# KiCad board 2000ATX.kicad_pcb (continued)
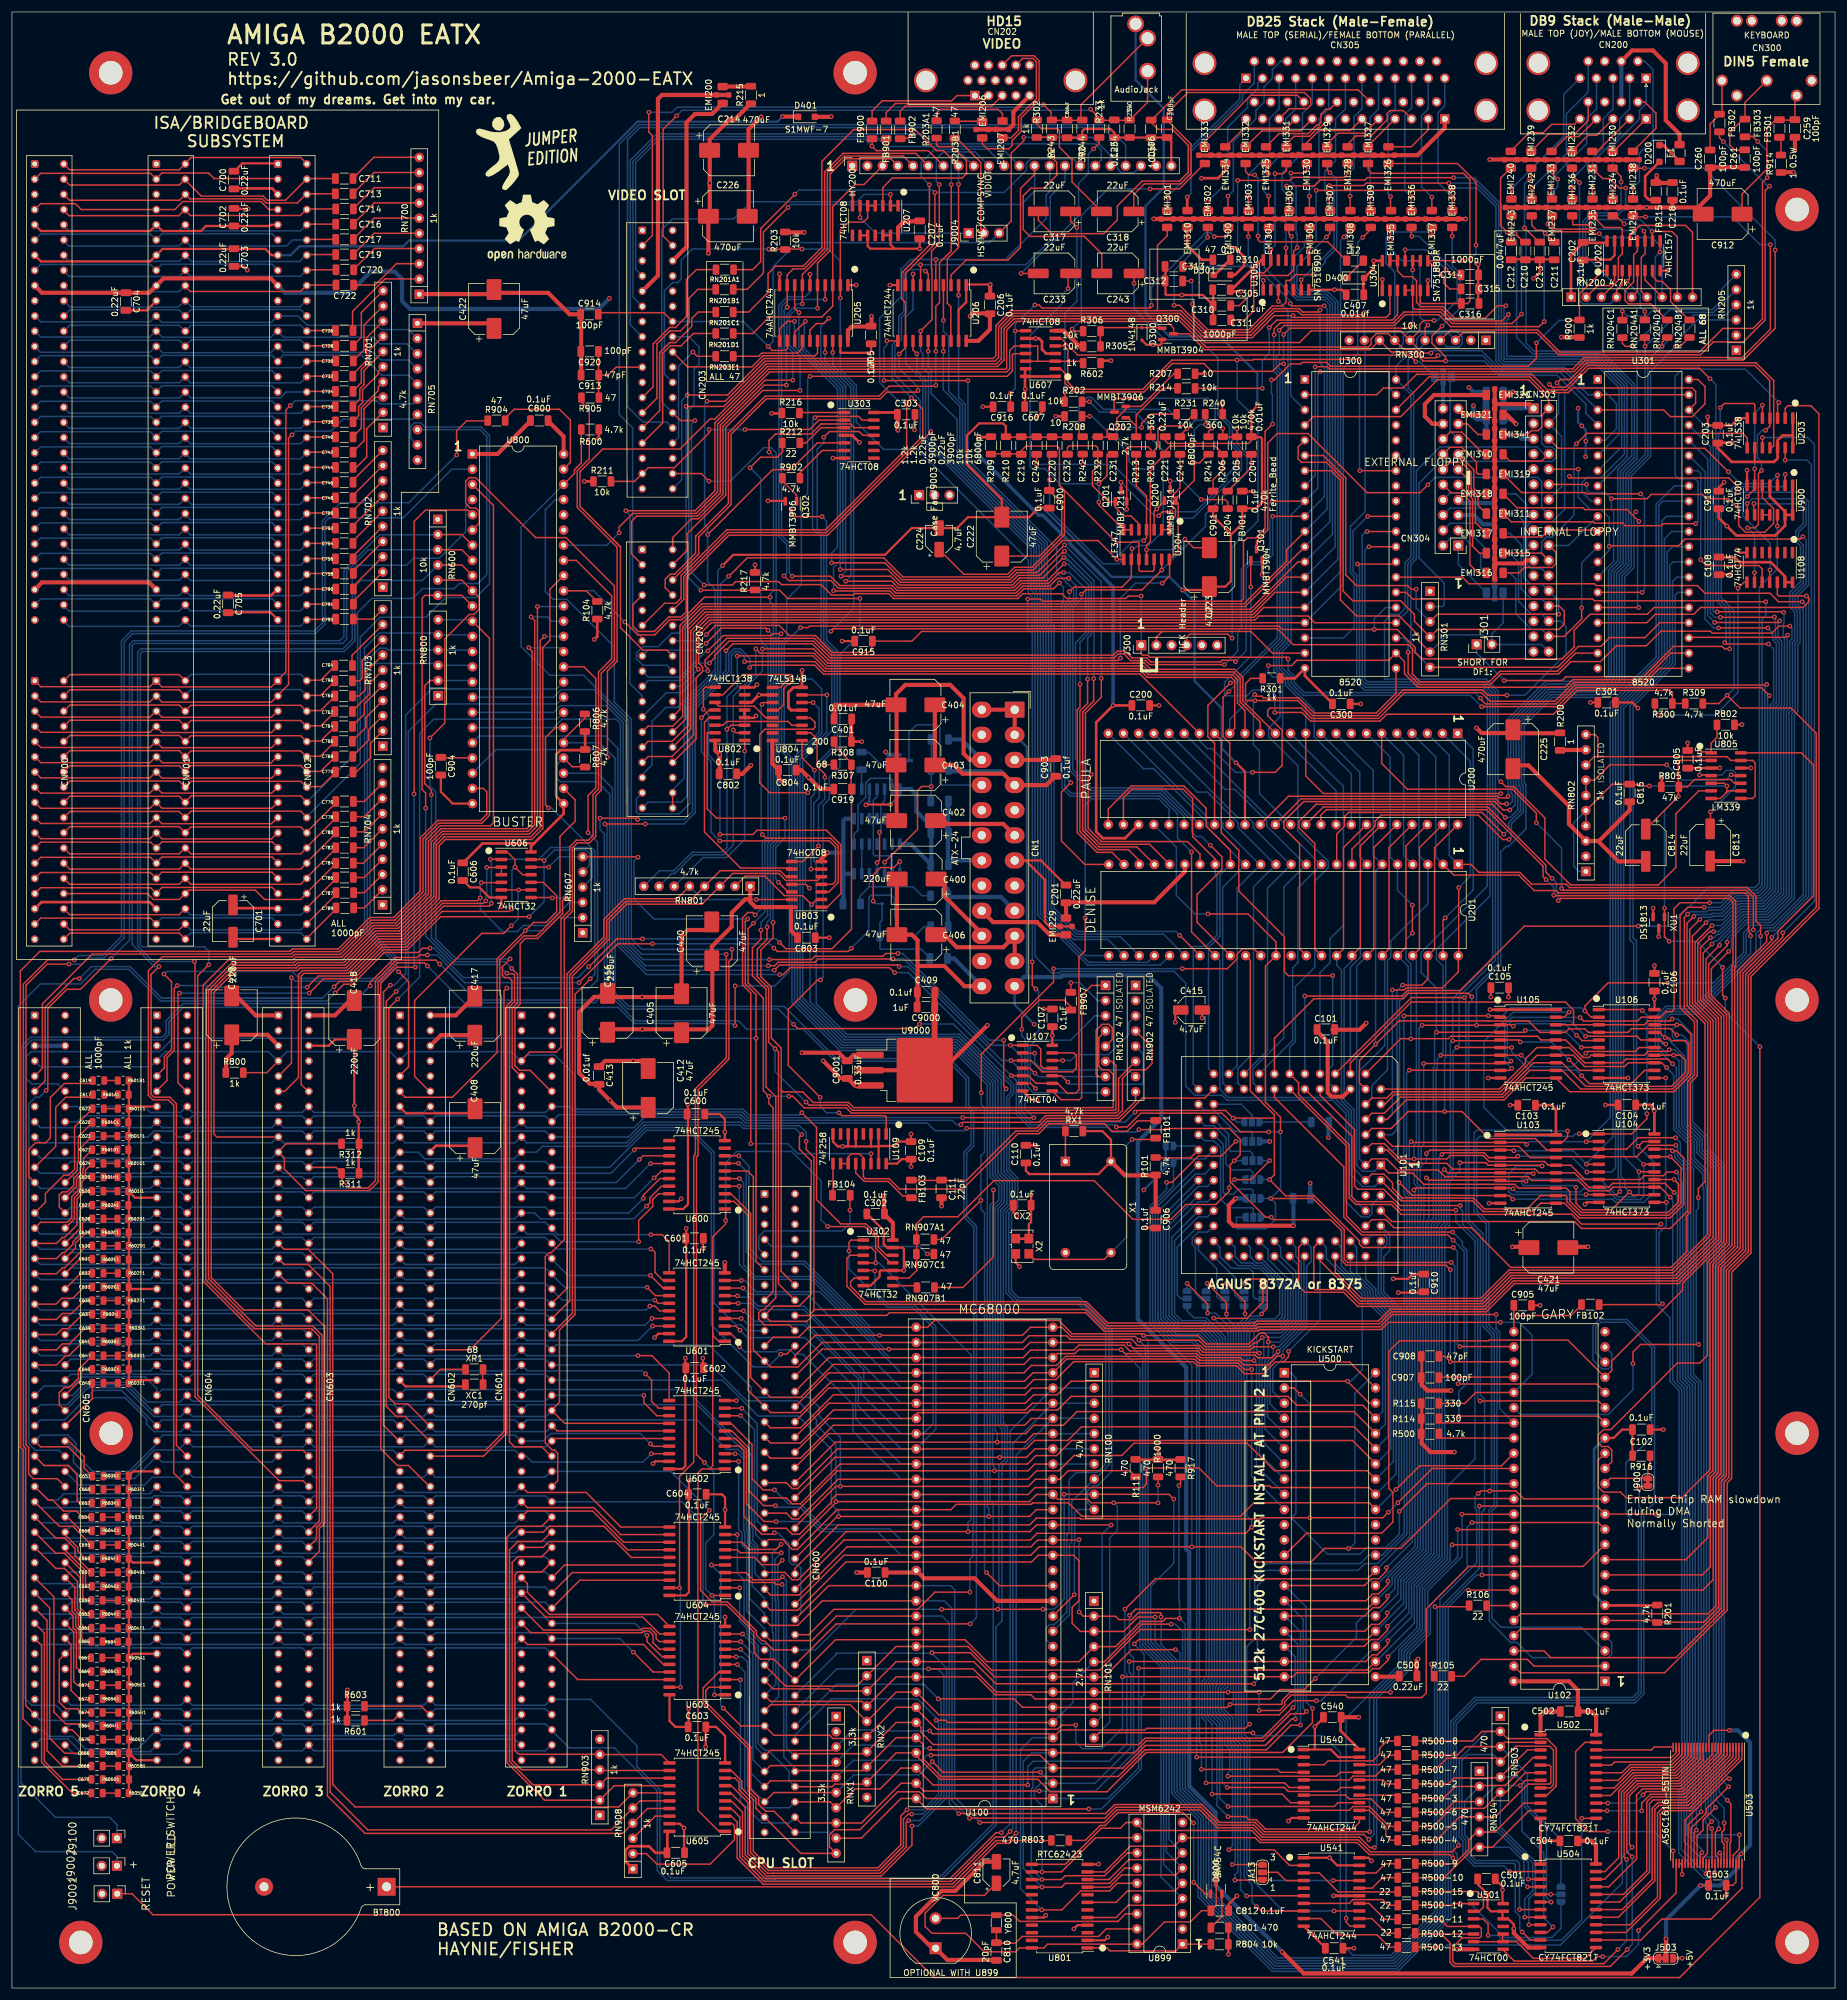
[diagram p0: board, top side]
## Routing (per net, layer and track width the routed paths; a pad name or vN(x,y) marks a point on that pad's centre or on a via; arc(x,y) is an arc through that point) (continued)
Net-(C756-Pad2): length 47
  Top w0.25: 49.25,238.86 54.1,238.86
  Bottom w0.25: 28.93,238.74 27.95,237.76 9.59,237.76 8.66,238.69 ; 49.23,238.72 48.25,237.74 29.84,237.74 28.91,238.67
Net-(C758-Pad2): length 47.1
  Top w0.25: 54.2,236.37 49.3,236.37
  Bottom w0.25: 49.23,236.18 48.25,235.2 29.84,235.2 28.91,236.13 ; CN700.A28 9.64,235.24 27.95,235.24 28.93,236.22
Net-(C760-Pad2): length 48
  Top w0.25: 28.93,213.41 27.95,214.39 9.69,214.39 CN700.C3 ; 49.25,213.46 51.61,213.46 54.05,215.9 ; 49.25,213.36 48.27,214.34 29.91,214.34 28.93,213.36
Net-(C762-Pad2): length 48
  Top w0.25: 28.93,210.87 27.95,211.85 9.69,211.85 CN700.C4 ; 49.25,210.92 51.66,210.92 54.05,213.31 ; 28.93,210.82 29.91,211.8 48.27,211.8 49.25,210.82
Net-(C764-Pad2): length 48
  Top w0.25: 28.93,208.33 27.95,209.31 9.69,209.31 CN700.C5 ; 49.25,208.38 51.61,208.38 54.05,210.82 ; 28.93,208.28 29.91,209.26 48.27,209.26 49.25,208.28
Net-(C766-Pad2): length 48.1
  Top w0.25: 28.93,205.79 27.95,206.77 9.69,206.77 CN700.C6 ; 49.25,205.84 51.56,205.84 54.05,208.33 ; 49.25,205.74 48.27,206.72 29.91,206.72 28.93,205.74
Net-(C768-Pad2): length 48.1
  Top w0.25: CN700.C7 9.69,204.23 27.95,204.23 28.93,203.25 29.96,204.28 48.27,204.28 49.25,203.3 51.61,203.3 54.1,205.79
Net-(C770-Pad2): length 48.1
  Top w0.25: 28.93,200.71 27.95,201.69 9.69,201.69 CN700.C8 ; 49.25,200.76 51.71,200.76 54.15,203.2 ; 28.93,200.66 29.91,201.64 48.27,201.64 49.25,200.66
Net-(C776-Pad2): length 49.2
  Top w0.25: 49.25,193.14 54.2,198.09 ; 28.93,193.09 27.95,194.07 9.69,194.07 CN700.C11 ; 49.25,193.04 48.27,194.02 29.91,194.02 28.93,193.04
Net-(C778-Pad2): length 49.2
  Top w0.25: 49.25,190.6 54.2,195.55 ; CN700.C12 9.64,189.52 27.95,189.52 28.93,190.5 29.91,189.52 48.27,189.52 49.25,190.5
Net-(C780-Pad2): length 49.2
  Top w0.25: 49.25,188.06 54.2,193.01 ; 49.25,187.96 48.27,186.98 29.91,186.98 28.93,187.96 27.95,186.98 9.64,186.98 CN700.C13
Net-(C782-Pad2): length 49.2
  Top w0.25: 49.25,185.52 54.2,190.47 ; 49.25,185.42 48.27,184.44 29.91,184.44 28.93,185.42 27.95,184.44 9.64,184.44 CN700.C14
Net-(C784-Pad2): length 49.7
  Top w0.25: 49.25,182.98 54.2,187.93 ; 49.25,182.88 48.27,181.9 42.23,181.9 40.67,183.46 29.51,183.46 27.95,181.9 23.63,181.9 22.65,182.88 CN700.C15
Net-(C786-Pad2): length 49.2
  Top w0.25: 49.25,180.44 54.2,185.39 ; 28.93,180.34 27.95,179.36 9.64,179.36 CN700.C16
  Bottom w0.25: 28.93,180.24 29.86,179.31 48.27,179.31 49.25,180.29
Net-(C787-Pad2): length 49.3
  Top w0.25: 28.93,177.8 27.95,176.82 9.64,176.82 CN700.C17 ; 49.25,177.8 54.25,182.8
  Bottom w0.25: 28.93,177.8 29.91,176.82 48.27,176.82 49.25,177.8
Net-(C789-Pad2): length 49.3
  Top w0.25: 49.25,175.36 54.25,180.36 ; 28.93,175.31 27.95,176.29 9.69,176.29 CN700.C18
  Bottom w0.25: 49.25,175.36 48.27,176.34 29.96,176.34 28.93,175.31
Net-(C790-Pad2): length 47.1
  Top w0.25: 49.25,233.78 54.2,233.78
  Bottom w0.25: 28.89,233.6 29.82,232.67 48.23,232.67 49.21,233.65 ; 8.61,233.62 9.53,232.69 27.89,232.69 28.87,233.67
Net-(C791-Pad2): length 47.1
  Top w0.25: 49.25,231.24 54.2,231.24
  Bottom w0.25: 49.21,231.11 48.23,230.13 29.82,230.13 28.89,231.06 27.91,230.08 9.55,230.08 8.62,231.01
Net-(C793-Pad2): length 47.1
  Top w0.25: 49.25,228.7 54.15,228.7
  Bottom w0.25: 49.21,228.57 48.23,227.59 29.82,227.59 28.89,228.52 27.91,227.54 9.55,227.54 8.62,228.47
Net-(C794-Pad2): length 48.1
  Top w0.25: 28.93,218.49 27.95,219.47 9.69,219.47 CN700.C1 ; 49.25,218.54 51.61,218.54 54.05,220.98
  Bottom w0.25: 49.25,218.54 48.27,219.52 29.96,219.52 28.93,218.49
Net-(C796-Pad2): length 48.1
  Top w0.25: 28.93,215.95 27.95,216.93 9.69,216.93 CN700.C2 ; 49.25,216 51.61,216 54.05,218.44
  Bottom w0.25: 49.25,216 48.27,216.98 29.96,216.98 28.93,215.95
Net-(C9103-Pad1): length 16.6
  Bottom w0.25: 143.35,184.02 150.64,184.02 152.14,182.52 153.63,182.52 ; 143.35,184.02 141.8,182.47 141.8,181.15 ; 143.35,184.02 U9101.5
Net-(C9105-Pad1): length 29
  Top w0.25: v1(153.69,200.78) 152.08,200.78 151.4,200.1 151.4,193.62 v1(145.9,188.13)
  Bottom w0.25: 153.69,203.57 v1(153.69,200.78) 153.69,198.35 ; v1(145.9,188.13) 145.9,186.21 ; 153.7,203.59 153.7,208.64
Net-(CN200-Pad1): length 22.7
  Top w0.25: v1(267.61,300.79) 267.61,298.73
  Bottom w0.25: v1(267.61,300.79) 267.61,307.82 272.1,312.31 272.1,313.76 273.23,314.89 CN200.1
Net-(CN200-Pad2): length 22.9
  Top w0.25: v1(264.26,300.84) 264.26,298.78
  Bottom w0.25: v1(264.26,300.84) 264.26,305.11 268.81,309.66 268.81,312.35 270.46,313.99 CN200.2
Net-(CN200-Pad3): length 23.1
  Top w0.25: v1(260.86,300.89) 260.86,298.83
  Bottom w0.25: v1(260.86,300.89) 260.86,302.34 266.04,307.52 266.04,312.35 267.69,313.99 CN200.3
Net-(CN200-Pad4): length 23.3
  Top w0.25: v1(257.35,300.99) 257.35,298.99
  Bottom w0.25: v1(257.35,300.99) 257.35,302.27 263.27,308.19 263.27,312.35 264.92,313.99 CN200.4
Net-(CN200-Pad5): length 24.9
  Top w0.25: v1(250.75,300.69) 250.75,298.99
  Bottom w0.25: v1(250.75,300.69) 259.44,309.37 259.44,316.42 CN200.5
Net-(CN200-Pad9): length 26.9
  Top w0.25: v1(254.18,300.81) 254.18,298.96
  Bottom w0.25: CN200.9 263.53,316.83 259.89,313.19 259.89,306.52 v1(254.18,300.81)
Net-(CN200-Pad10): length 7.7
  Top w0.25: 267.81,306.91 CN200.10
Net-(CN200-Pad11): length 8.5
  Top w0.25: CN200.11 265.04,306.91 EMI231.2
Net-(CN200-Pad12): length 9.1
  Top w0.25: CN200.12 264.94,309.59 263.48,309.59 EMI232.2
Net-(CN200-Pad13): length 9.8
  Top w0.25: 257.4,306.86 259.92,309.37 261.96,309.37 CN200.13
Net-(CN200-Pad14): length 13.8
  Top w0.25: CN200.14 261.24,311.42 257.41,311.42 256,310.01 253.65,310.01 250.6,306.96
Net-(CN200-Pad15): length 11.7
  Top w0.25: CN200.15 272.97,315.17 274.86,313.28 274.86,310.76 271.02,306.92
Net-(CN200-Pad18): length 14.8
  Top w0.25: EMI239.1 256.91,309.82 261.31,309.82 263.53,312.05 CN200.18
Net-(CN202-Pad1): length 19.9
  Top w0.25: FB900.1 143.8,313.66 145.49,315.35 157.11,315.35 157.99,316.23 CN202.1
Net-(CN202-Pad2): length 19.7
  Top w0.25: FB901.1 146.15,313.36 147.69,314.9 161.95,314.9 CN202.2
Net-(CN202-Pad3): length 19.8
  Top w0.25: CN202.3 163.79,314.45 149.34,314.45 148.5,313.62 FB902.1
Net-(CN202-Pad13): length 29.7
  Top w0.25: EMI206.2 162.2,308.2 163.07,307.34 166.67,307.34 167.22,307.89 167.22,308.71 168.73,310.22 168.73,312.51 171.72,315.5 171.72,322.04 170.87,322.89 167.14,322.89 CN202.13
Net-(CN202-Pad14): length 20
  Top w0.25: CN202.14 168.98,322.44 170.69,322.44 171.27,321.85 171.27,315.69 168.28,312.69 168.28,310.41 167.06,309.19 EMI207.2
Net-(CN203-Pad23): length 29.1
  Top w0.25: 117.78,287.15 114.43,287.15 112.75,285.47 112.75,279.3 110.94,277.49 109.94,277.49 107.19,274.74 107.19,267.57 CN203.23
Net-(CN203-Pad25): length 28.5
  Top w0.25: 117.73,283.85 114.68,283.85 113.21,282.37 113.21,278.36 111.75,276.91 109.99,276.91 107.84,274.75 107.84,265.68 CN203.25
Net-(CN203-Pad27): length 26.8
  Top w0.25: CN203.27 108.29,263.59 108.29,273.29 109.94,274.95 110.94,274.95 113.66,277.67 113.66,278.99 114.73,280.06 117.73,280.06
Net-(CN203-Pad29): length 26.7
  Top w0.25: CN203.29 108.79,261.55 108.79,273.16 110.04,274.41 111.86,274.41 113.92,276.48 117.73,276.48
Net-(CN203-Pad33): length 43.6
  Top w0.25: v1(122.56,260.43) 133.38,260.45 134.93,262 U303.2 ; 100.08,251.76 104.08,251.76 CN203.33 106.36,254.05 110.75,254.05 116.56,259.86 v1(116.56,260.43)
  Bottom w0.25: v1(122.56,260.43) v1(116.56,260.43)
Net-(CN304-Pin_1): length 9.8
  Bottom w0.25: CN304.1 241.81,237.87 EMI322.2
Net-(CN304-Pin_2): length 11.4
  Bottom w0.25: EMI313.2 245.55,237.42 245.55,239.59 242.92,242.22 240.44,242.22 CN304.2
Net-(CN304-Pin_3): length 6
  Bottom w0.25: 246.5,240.41 243.33,243.59 CN304.3
Net-(CN304-Pin_4): length 8.4
  Bottom w0.25: CN304.4 240.44,244.76 244.82,244.76 EMI324.2
Net-(CN304-Pin_6): length 8.1
  Bottom w0.25: EMI339.2 245.58,247.3 240.44,247.3 CN304.6
Net-(CN304-Pin_8): length 7.6
  Bottom w0.25: 246.34,249.84 240.44,249.84 CN304.8
Net-(CN304-Pin_9): length 14
  Top w0.25: EMI315.2 245.36,239.78 244.21,240.93 244.21,248.8 CN304.9
Net-(CN304-Pin_10): length 19.6
  Top w0.25: EMI316.2 245.11,236.47 243.76,237.82 243.76,248.45 242.37,249.84 240.63,249.84 CN304.10
Net-(CN304-Pin_11): length 12.6
  Top w0.25: CN304.11 243.51,252.05 243.51,250.27 244.66,249.11 244.66,244.92 EMI317.2
Net-(CN304-Pin_12): length 13.8
  Top w0.25: CN304.12 240.44,254.92 242.37,254.92 243.96,253.34 243.96,250.45 245.11,249.3 245.11,247.77 EMI311.2
Net-(CN304-Pin_13): length 9.2
  Top w0.25: CN304.13 244.41,253.69 244.41,250.64 245.36,249.68 EMI318.2
Net-(CN304-Pin_14): length 10.6
  Top w0.25: CN304.14 240.44,257.46 242.37,257.46 244.86,254.98 244.86,253.24 245.11,252.98 EMI319.2
Net-(CN304-Pin_15): length 10.8
  Bottom w0.25: CN304.15 240.44,260.19 240.44,269.02
Net-(CN304-Pin_16): length 8.8
  Top w0.25: 246.09,256.29 242.37,260 240.44,260 CN304.16
Net-(CN304-Pin_17): length 5.4
  Top w0.25: EMI341.2 245.11,259.59 243.33,261.37 CN304.17
Net-(CN304-Pin_18): length 16.5
  Top w0.7: CN304.18 237.49,261.37 236.22,262.64 236.22,264.67 237.74,266.19 EMI320.2
Net-(CN304-Pin_19): length 5.1
  Top w0.7: CN304.19 242.82,262.89 EMI321.2
Net-(CN305-Pad1): length 27.5
  Top w0.25: v1(193.19,299.36) 193.19,297.08
  Bottom w0.25: v1(193.19,299.36) 196.67,302.84 196.67,307.06 205.28,315.67 205.28,318.09 CN305.1
Net-(CN305-Pad2): length 25.9
  Top w0.25: 199.9,297.06 v1(199.9,298.5)
  Bottom w0.25: CN305.2 208.28,318.33 208.28,317.41 206.57,315.7 206.57,314.25 203.26,310.94 203.26,301.86 v1(199.9,298.5)
Net-(CN305-Pad3): length 24.2
  Top w0.25: v1(206.71,299.47) 206.71,297.06
  Bottom w0.25: CN305.3 211.85,313.99 210.23,312.37 210.23,306.51 206.71,302.98 v1(206.71,299.47)
Net-(CN305-Pad4): length 24.6
  Top w0.25: 210.11,297.06 210.11,299.42 v1(210.08,299.44)
  Bottom w0.25: CN305.4 214.62,313.99 212.98,312.35 212.98,307.17 209.33,303.52 209.33,300.19 v1(210.08,299.44)
Net-(CN305-Pad5): length 24.6
  Top w0.25: v1(213.51,299.42) 213.51,297.06
  Bottom w0.25: v1(213.51,299.42) 212.37,300.56 212.37,303.29 215.75,306.67 215.75,313.24 217.39,314.88 CN305.5
Net-(CN305-Pad6): length 23.4
  Top w0.25: 216.92,297.06 v1(216.92,299.42)
  Bottom w0.25: CN305.6 220.16,314 218.52,312.36 218.52,301.94 216.92,300.34 v1(216.92,299.42)
Net-(CN305-Pad7): length 23.8
  Top w0.25: v1(220.24,299.54) 220.24,297.08
  Bottom w0.25: v1(220.24,299.54) 219.49,300.29 219.49,303.57 221.28,305.36 221.28,312.34 222.93,313.99 CN305.7
Net-(CN305-Pad8): length 22.9
  Top w0.25: 223.72,297.01 v1(223.72,299.42)
  Bottom w0.25: v1(223.72,299.42) 223.72,303.49 224.37,304.14 224.37,312.66 225.7,313.99 CN305.8
Net-(CN305-Pad9): length 22.7
  Top w0.25: v1(227.08,299.42) 227.08,297.01
  Bottom w0.25: v1(227.08,299.42) 227.08,312.6 228.47,313.99 CN305.9
Net-(CN305-Pad10): length 22.8
  Top w0.25: 230.48,296.95 v1(230.48,299.36)
  Bottom w0.25: v1(230.48,299.36) 230.08,299.76 230.08,312.83 231.24,313.99 CN305.10
Net-(CN305-Pad11): length 23.1
  Top w0.25: v1(233.93,299.36) 233.93,296.95
  Bottom w0.25: v1(233.93,299.36) 232.87,300.42 232.87,313.04 234.01,314.18 CN305.11
Net-(CN305-Pad12): length 23.3
  Top w0.25: EMI337.2 v1(237.39,299.26)
  Bottom w0.25: v1(237.39,299.26) 235.66,300.99 235.66,312.87 236.78,313.99 CN305.12
Net-(CN305-Pad13): length 23.6
  Top w0.25: v1(240.79,299.31) EMI338.2
  Bottom w0.25: CN305.13 239.55,314.51 238.43,313.39 238.43,301.68 v1(240.79,299.31)
Net-(CN305-Pad27): length 9.7
  Top w0.25: CN305.27 236.78,310.51 233.95,307.67 EMI326.2
Net-(CN305-Pad28): length 14.1
  Top w0.25: 223.36,308.14 224.71,309.49 227.23,309.49 229.92,312.18 229.92,313.23 230.41,313.72 232.61,313.72 CN305.28
Net-(CN305-Pad29): length 6.3
  Top w0.25: CN305.29 226.76,307.85
Net-(CN305-Pad30): length 10.3
  Top w0.25: CN305.30 226.09,309.94 221.7,309.94 219.91,308.16
Net-(CN305-Pad31): length 11.6
  Top w0.25: CN305.31 223.77,310.39 218.52,310.39 216.46,308.33 216.46,307.62
Net-(CN305-Pad33): length 8.9
  Top w0.25: CN305.33 218.67,310.84 218.33,310.84 216.91,309.42 214.37,309.42 213.06,308.11
Net-(CN305-Pad34): length 13.1
  Top w0.25: CN305.34 215.39,310.32 208.95,310.32 206.25,307.62
Net-(CN305-Pad35): length 13.7
  Top w0.25: CN305.35 213.07,310.77 205.99,310.77 202.84,307.62
Net-(CN305-Pad45): length 15.8
  Top w0.25: 209.65,307.67 211.85,309.87 216.73,309.87 218.15,311.29 218.41,311.29 218.84,311.73 218.84,313.1 219.69,313.94 220.33,313.94 CN305.45
Net-(CN305-Pad47): length 21.2
  Top w0.25: 199.44,307.62 199.44,308.57 207.16,316.29 214.88,316.29 CN305.47
Net-(CN305A-P14): length 29.6
  Top w0.457: v1(196.49,299.26) 196.49,297.06
  Bottom w0.25: CN305.14 207.7,318.33 205.73,316.36 205.73,315.49 197.12,306.88 197.12,299.89 v1(196.49,299.26)
Net-(CN305A-P16): length 29.7
  Top w0.25: v1(203.3,299.42) 203.3,297.06
  Bottom w0.25: CN305.16 212.11,321.97 210.73,320.59 210.73,319.11 209.34,317.72 209.34,315.14 207.98,313.78 207.98,312.33 204.2,308.55 204.2,300.32 v1(203.3,299.42)
Net-(CN601-Pad97): length 85.5
  Bottom w0.25: 85.06,40.61 84.08,41.59 65.72,41.59 64.74,40.61 63.76,41.59 45.4,41.59 44.42,40.61 43.44,41.59 25.08,41.59 24.1,40.61 ; CN604.97 23.12,39.5 11.45,39.5 9.36,41.59 4.79,41.59 CN605.97
Net-(CN601-Pad98): length 85.1
  Bottom w0.25: 29.18,40.61 30.16,39.63 48.52,39.63 49.5,40.61 50.48,39.63 68.84,39.63 69.82,40.61 70.8,39.63 89.16,39.63 90.14,40.61 ; CN604.98 27.75,39.05 10.45,39.05 CN605.98
Net-(CN700-PadA1): length 42.2
  Top w0.25: 49.25,304.9 48.27,305.88 29.96,305.88 28.93,304.85 ; CN700.A1 9.64,303.82 27.95,303.82 28.93,304.8
Net-(CN700-PadA10): length 42.4
  Bottom w0.25: CN700.A10 9.72,280.88 27.82,280.88 28.93,281.99 29.99,280.93 48.14,280.93 49.25,282.04
Net-(CN700-PadA11): length 42.3
  Bottom w0.25: 49.25,279.5 48.27,280.48 29.96,280.48 28.93,279.45 27.95,280.43 9.69,280.43 CN700.A11
Net-(CN700-PadB2): length 42.2
  Top w0.25: 44.4,302.36 33.81,302.36 32.88,303.29 25.06,303.29 24.08,302.31 23.15,303.24 4.79,303.24 CN700.B2
Net-(CN700-PadB4): length 42.6
  Top w0.25: CN702.B4 42.96,297.18 41.62,298.52 28.56,298.52 27.22,297.18 CN701.B4 11.6,297.18 10.62,298.16 4.79,298.16 CN700.B4
Net-(CN700-PadB6): length 42.2
  Bottom w0.25: CN700.B6 4.79,293.08 23.15,293.08 24.08,292.15 25.06,293.13 43.47,293.13 44.4,292.2
Net-(CN700-PadB8): length 42.2
  Bottom w0.25: 44.4,287.12 43.47,288.05 25.06,288.05 24.08,287.07 23.15,288 4.79,288 CN700.B8
Net-(CN700-PadB15): length 42.2
  Bottom w0.25: CN700.B15 4.79,270.22 23.15,270.22 24.08,269.29 25.06,270.27 43.47,270.27 44.4,269.34
Net-(CN700-PadB16): length 42.2
  Bottom w0.25: CN700.B16 4.79,267.68 23.15,267.68 24.08,266.75 25.06,267.73 43.47,267.73 44.4,266.8
Net-(CN700-PadB17): length 42.2
  Bottom w0.25: CN700.B17 4.79,265.14 23.15,265.14 24.08,264.21 25.06,265.19 43.47,265.19 44.4,264.26
Net-(CN700-PadB18): length 42.2
  Bottom w0.25: CN700.B18 4.79,262.6 23.15,262.6 24.08,261.67 25.06,262.65 43.47,262.65 44.4,261.72
Net-(CN700-PadB19): length 42.2
  Bottom w0.25: CN700.B19 4.79,260.06 23.15,260.06 24.08,259.13 25.06,260.11 43.47,260.11 44.4,259.18
Net-(CN700-PadB20): length 42.2
  Bottom w0.25: CN700.B20 4.79,257.52 23.15,257.52 24.08,256.59 25.06,257.57 43.47,257.57 44.4,256.64
Net-(CN700-PadB21): length 42.2
  Bottom w0.25: CN700.B21 4.79,254.98 23.15,254.98 24.08,254.05 25.06,255.03 43.47,255.03 44.4,254.1
Net-(CN700-PadB22): length 42.2
  Bottom w0.25: CN700.B22 4.79,252.44 23.15,252.44 24.08,251.51 25.06,252.49 43.47,252.49 44.4,251.56
Net-(CN700-PadB23): length 42.2
  Bottom w0.25: 44.4,249.02 43.47,249.95 25.06,249.95 24.08,248.97 23.15,249.9 4.79,249.9 CN700.B23
Net-(CN700-PadB24): length 42.2
  Bottom w0.25: 44.4,246.48 43.47,247.41 25.06,247.41 24.08,246.43 23.15,247.36 4.79,247.36 CN700.B24
Net-(CN700-PadB25): length 42.2
  Bottom w0.25: 44.4,243.94 43.47,244.87 25.06,244.87 24.08,243.89 23.15,244.82 4.79,244.82 CN700.B25
Net-(CN700-PadB26): length 42.2
  Bottom w0.25: 44.4,241.4 43.47,242.33 25.06,242.33 24.08,241.35 23.15,242.28 4.79,242.28 CN700.B26
Net-(CN700-PadB27): length 42.2
  Bottom w0.25: 44.4,238.86 43.47,239.79 25.06,239.79 24.08,238.81 23.15,239.74 4.79,239.74 CN700.B27
Net-(CN700-PadB28): length 42.2
  Bottom w0.25: 44.4,236.32 43.47,237.25 25.06,237.25 24.08,236.27 23.15,237.2 4.79,237.2 CN700.B28
Net-(CN700-PadB30): length 42.2
  Bottom w0.25: CN700.B30 4.79,232.12 23.15,232.12 24.08,231.19 25.06,232.17 43.47,232.17 44.4,231.24
Net-(CN700-PadD3): length 42.3
  Top w0.25: 24.1,213.32 25.08,212.34 43.39,212.34 44.42,213.37 ; CN700.D3 4.82,212.38 23.07,212.38 24.1,213.41
Net-(CN700-PadD4): length 42.3
  Top w0.25: 24.1,210.78 25.08,209.8 43.39,209.8 44.42,210.83 ; CN700.D4 4.82,209.84 23.07,209.84 24.1,210.87
Net-(CN700-PadD5): length 42.3
  Top w0.25: 24.1,208.24 25.08,207.26 43.39,207.26 44.42,208.29 ; CN700.D5 4.82,207.3 23.07,207.3 24.1,208.33
Net-(CN700-PadD6): length 42.3
  Top w0.25: 44.42,205.84 43.31,204.73 25.16,204.73 24.1,205.79 23.07,204.76 4.82,204.76 CN700.D6
Net-(CN700-PadD7): length 42.3
  Top w0.25: 24.1,203.16 25.08,202.18 43.39,202.18 44.42,203.21 ; CN700.D7 4.82,202.22 23.07,202.22 24.1,203.25
Net-(CN700-PadD8): length 42.2
  Top w0.25: CN700.D8 4.79,199.68 23.05,199.68 24.08,200.71 ; 24.08,200.66 25.06,199.68 43.42,199.68 44.4,200.66
Net-(CN700-PadD9): length 42.2
  Top w0.25: CN700.D9 4.82,197.14 23.07,197.14 24.1,198.17 ; 44.42,198.12 43.44,197.14 25.08,197.14 24.1,198.12
Net-(CN700-PadD10): length 42.3
  Top w0.25: 24.1,195.54 25.08,194.56 43.39,194.56 44.42,195.6 ; CN700.D10 4.82,194.6 23.07,194.6 24.1,195.63
Net-(CN700-PadD11): length 42.3
  Top w0.25: 24.1,193 25.08,192.02 43.39,192.02 44.42,193.06 ; CN700.D11 4.82,192.06 23.07,192.06 24.1,193.09
Net-(CN700-PadD12): length 42.2
  Top w0.25: CN700.D12 4.82,191.48 23.18,191.48 24.1,190.55 25.08,191.53 43.5,191.53 44.42,190.6
Net-(CN700-PadD13): length 42.2
  Top w0.25: CN700.D13 4.82,188.94 23.18,188.94 24.1,188.01 25.08,188.99 43.5,188.99 44.42,188.06
Net-(CN700-PadD14): length 42.2
  Top w0.25: CN700.D14 4.79,186.4 23.15,186.4 24.08,185.47 25.06,186.45 43.47,186.45 44.4,185.52
Net-(CN700-PadD15): length 42.2
  Top w0.25: CN700.D15 4.82,183.86 23.18,183.86 24.1,182.93 25.08,183.91 43.5,183.91 44.42,182.98
Net-(CN700-PadD17): length 42.2
  Top w0.25: CN700.D17 4.79,178.78 23.15,178.78 24.08,177.85
  Bottom w0.25: 44.4,177.9 43.47,178.83 25.06,178.83 24.08,177.85
Net-(D200-A): length 8.7
  Top w0.457: 274.83,298.83 273.69,298.83 273.05,299.47 273.05,302.77 275.43,305.15
Net-(D200-K): length 4.5
  Top w0.457: F1.1 276.09,307.95 D200.1
Net-(D300-K): length 13
  Top w0.25: 181.94,274.32 181.94,276.86 182.54,277.45 D300.1 192.14,277.45
Net-(D301-K): length 3.6
  Top w0.457: 201.09,286.26 203.63,288.8
Net-(D400-K): length 3.8
  Top w0.25: 223.27,285.98 F2.1
Net-(D401-A): length 76.9
  Top w0.25: 136.91,312.67 v1(136.96,312.72)
  Top w0.457: 202.84,304.82 202.84,303.63 201.63,302.41 v1(198.88,302.41)
  Top w0.7: D401.2 136.91,312.67
  In2.Cu w0.7: v1(198.88,302.41) 198.88,306.3 192.46,312.72 v1(136.96,312.72)
Net-(D800-Pad1): length 37
  Top w0.25: D800.1 199.51,15.74 v1(197.58,17.67) ; v1(197.56,27.58) 197.55,27.58 195.83,29.3 195.83,29.31 184.91,29.31 182.76,27.16 181.94,27.16 179.45,24.67 R803.2
  Bottom w0.25: v1(197.56,27.58) v1(197.58,17.67)
Net-(D800-Pad2): length 6.4
  Top w0.25: D800.2 202.28,11.93 R801.2
Net-(D9100-A): length 323.6
  Top w0.25: v1(127.39,173.77) 127.41,173.77 127.96,173.22 139.81,173.22 v1(140.34,173.74) ; v1(59.89,167.47) 59.89,168.05 64.05,172.21 67.74,172.21 68.15,172.62 v1(69.46,172.62) ; v1(94.81,167.99) 94.81,168.02 101.29,174.49 v1(107.11,174.49)
  Bottom w0.25: v1(69.46,172.62) 71.07,172.62 75.69,167.99 v1(94.81,167.99) ; v1(59.89,167.47) 56.91,164.49 28.6,164.49 25.78,161.67 25.78,159.51 25.15,158.88 3.1,158.88 1.51,157.3 1.51,34.29 7.28,28.53 16.34,28.53 17.55,27.32 J9100.1 ; v1(140.34,173.74) 140.34,173.77 143.26,176.69 143.26,182.22 143.66,182.62 146.99,182.62 147.58,182.02 D9100.2 147.58,179.1 147.92,178.76 147.92,175.75 150.89,175.75 152.51,177.37 153.66,177.37 ; v1(107.11,174.49) 126.66,174.49 v1(127.39,173.77)
Net-(D9100-K): length 30.2
  Top w0.25: v1(143.99,181.62) 143.99,186.01 145.2,187.23 147.42,187.23 v1(148.43,188.24)
  Bottom w0.25: 153.54,172.05 151.99,173.6 145.22,173.6 145.12,173.7 145.12,178.07 145.48,178.43 D9100.1 144.41,181.2 v1(143.99,181.62) ; U9101.1 v1(148.43,188.24)
Net-(EMI200-Pad2): length 5.6
  Top w0.7: 118.36,317.73 123.95,317.73
Net-(EMI206-Pad1): length 4.5
  Top w0.25: 157.63,311.94 162.18,311.94
Net-(EMI207-Pad1): length 14.1
  Top w0.25: 154.58,311.99 154.58,313.33 155.19,313.94 164.85,313.94 165.61,313.18 EMI207.1
Net-(EMI310-Pad2): length 8.4
  Top w0.457: 196.49,294.26 196.49,291.19 198.88,288.8 200.83,288.8
Net-(EMI320-Pad1): length 3.5
  Top w0.7: EMI320.1 250.44,266.19 v1(250.95,266.7)
  Bottom w0.7: F3.1 v1(250.95,266.7)
Net-(EMI321-Pad1): length 5.3
  Top w0.7: v1(251.46,261.37) 249.94,262.89 EMI321.1
  Bottom w0.7: v1(251.46,261.37) 250.7,262.13 F4.1
Net-(EMI332-Pad2): length 30.4
  Top w0.25: 206.25,304.82 206.25,303.53 206.81,302.97 v1(207.77,302.97) ; F2.2 219.99,291.8 208.65,291.8 208.33,292.12 v1(208.33,292.75)
  Bottom w0.25: v1(207.77,302.97) 208.33,302.41 v1(208.33,292.75)
Net-(EMI333-Pad2): length 45.8
  Top w0.25: 179.14,276.86 177.6,276.86 v1(177.24,277.22) ; 199.36,304.82 195.17,300.63 v1(190.3,300.63)
  Bottom w0.25: v1(177.24,277.22) 178.78,278.75 178.78,296.18 183.24,300.63 v1(190.3,300.63)
Net-(FB301-Pad2): length 2.8
  Top w0.25: 295.76,306.24 295.76,309.07
Net-(J102-B): length 12.2
  Top w0.25: U101.41 197.04,138.72 191.21,138.72
  Bottom w0.25: J102.2 197.71,140.72 U101.41
Net-(J301-Pin_1): length 98
  Top w0.25: 291.39,262.06 291.39,264.57 291.19,264.77 286.31,264.77 v1(285.6,264.06) ; v1(287.17,223.77) 286.35,223.77 285.94,224.19 277.81,224.19 272.72,219.09 259.8,219.09 259.2,218.49 v1(249.48,218.49)
  Bottom w0.25: v1(285.6,264.06) 285.6,259.89 285.32,259.62 285.32,232.1 287.17,230.25 v1(287.17,223.77) ; J301.1 244.88,223.09 v1(249.48,218.49)
Net-(J900-B): length 11.5
  Top w0.25: R916.1 273.88,87.12 273.5,86.75 J900.2 267.24,85.18 U102.14
Net-(J9002-Pin_1): length 343.8
  Top w0.25: 140.29,200.36 140.29,204.36 ; 140.29,204.8 137.49,207.6 ; v1(105.44,175.32) 101.11,175.32 96.46,170.67 v1(96.44,170.67) ; C919.1 140.36,176.94 137.09,173.67 129.39,173.67 v1(128.34,174.72) ; v1(69.89,173.74) 68.64,173.74 67.93,173.04 62.24,173.04 56.95,167.74 55.48,167.74 v1(54.04,166.29)
  Bottom w0.25: v1(96.44,170.67) 94.61,168.85 75.47,168.85 70.58,173.74 v1(69.89,173.74) ; v1(105.44,175.32) 127.74,175.32 v1(128.34,174.72) ; J9002.1 17.55,21.98 16.74,22.79 3.96,22.79 1.06,25.69 1.06,164.1 4.76,167.79 11.46,167.79 13.9,170.23 19.56,170.23 24.85,164.94 52.68,164.94 v1(54.04,166.29)
Net-(J9004-A): length 21.2
  Top w0.25: U207.6 v1(141.8,295.85)
  Bottom w0.25: v1(141.8,295.85) 144.4,293.24 J9004.1
Net-(J9004-C): length 17.8
  Top w0.25: 157.9,309.14 161.98,305.06 161.98,293.76 J9004.2
Net-(JA1-B): length 8.7
  Bottom w0.25: JA1.3 217.28,144.72
Net-(JA1-C): length 8.3
  Bottom w0.25: JA1.2 207.3,145.88 205.5,147.68 U101.36
Net-(JA2-C): length 12.4
  Bottom w0.25: JA2.2 207.37,142.94 207.17,143.13 204.45,143.13 200.94,146.64 199.41,146.64 U101.35
Net-(JA3-C): length 11.5
  Bottom w0.25: JA3.2 207.41,139.44 207.02,139.82 203.77,139.82 203.42,140.17 203.42,142.63 U101.38
Net-(JA4-C): length 16.5
  Bottom w0.25: U101.37 199.41,144.1 200.94,144.1 202.97,142.08 202.97,137.68 203.94,136.71 207.05,136.71 207.46,136.3 JA4.2
Net-(JA5-A): length 21.6
  Top w0.7: v1(214.25,127.38) 204.22,127.38 203.45,128.14 203.45,130.81 v1(204.58,131.94)
  Bottom w0.7: 214.25,131.97 v1(214.25,127.38) ; JA5.1 v1(204.58,131.94)
Net-(JA5-C): length 17.2
  Bottom w0.25: 207.49,131.92 207.49,133.27 207.26,133.49 205.03,133.49 204.19,132.65 202.82,132.65 202.52,132.95 202.52,140.99 U101.40
Net-(JA6-C): length 20.7
  Bottom w0.25: U101.39 199.41,141.56 200.94,141.56 202.07,140.44 202.07,131.84 203.53,130.38 207.38,130.38 207.53,130.23 JA6.2
Net-(JA8-C): length 15.5
  Bottom w0.25: U101.55 201.95,123.78 201.95,122.25 203.94,120.26 206.89,120.26 207.52,119.63 207.52,115.57 207.92,115.17 JA8.2
Net-(JA9-C): length 9.9
  Bottom w0.25: U101.54 204.47,118.72 204.47,115.82 205.13,115.17 206.15,115.17
Net-(JA10-C): length 12.3
  Bottom w0.25: U101.53 198.37,123.28 201.42,120.23 201.42,115.57 201.81,115.18 203.06,115.18
Net-(JA11-C): length 16.2
  Bottom w0.25: 199.82,115.18 198.77,115.18 197.87,116.08 197.87,123.79 197.34,124.32 197.34,125.31 198.34,126.32 199.88,126.32 U101.52
Net-(JA12-C): length 14.9
  Bottom w0.25: U101.51 194.82,123.8 194.82,115.82 195.42,115.22 JA12.2
Net-(JA13-C): length 7.5
  Top w0.25: JA13.2 211.61,19.33 212.99,17.96 U541.4
Net-(Q200-G): length 13.4
  Top w0.25: v1(198.83,248.72) 202.84,248.72 203.25,248.31 203.25,247.27 ; 193.65,250.48 v1(193.65,251.82)
  Bottom w0.25: v1(193.65,251.82) 195.73,251.82 v1(198.83,248.72)
Net-(Q200-S): length 32.1
  Top w0.25: 192.7,248.48 v1(191.39,247.17) 190.96,246.74 U204.3 ; v1(171.3,254.61) 171.3,256.27 ; R242.1 179.02,254.58 v1(179.02,254.57)
  Bottom w0.25: v1(171.3,254.61) 178.99,254.61 v1(179.02,254.57) 184.03,254.57 191.41,247.19
Net-(Q201-G): length 28.9
  Top w0.25: v1(191.72,246.02) 192.38,246.68 v1(193.75,246.68) ; 185.42,250.33 v1(185.42,251.61) ; 204.83,256.36 v1(204.83,254.46)